# KiCad board 100p-keebored_OLD.kicad_pcb (continued)
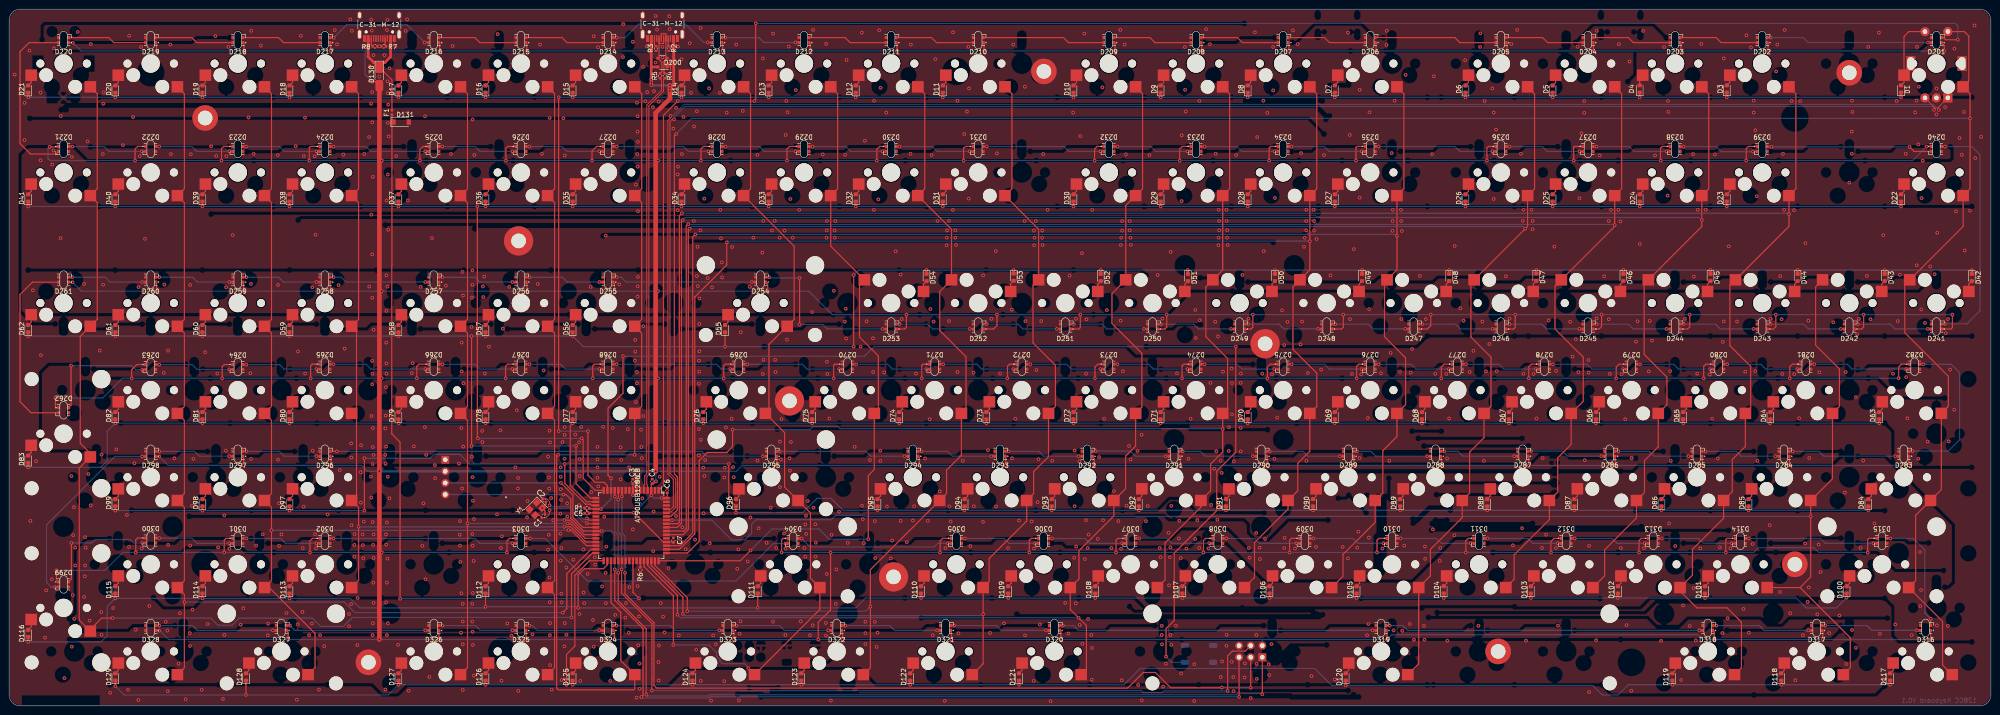
[diagram p0: board, top side]
## Routing (per net, layer and track width the routed paths; a pad name or vN(x,y) marks a point on that pad's centre or on a via; arc(x,y) is an arc through that point) (continued)
Net-(D205-Pad2): length 26.9
  Top w0.25: 298.71,146.17 316.14,146.17 317.24,145.07 325.14,145.07
Net-(D206-Pad2): length 17.4
  Top w0.25: 279.66,146.17 287.64,146.17 288.74,145.07 296.56,145.07
Net-(D207-Pad2): length 17.4
  Top w0.25: 260.62,146.17 268.59,146.17 269.69,145.07 277.51,145.07
Net-(D208-Pad2): length 17.4
  Top w0.25: 258.47,145.07 250.57,145.07 249.47,146.17 241.57,146.17
Net-(D209-Pad2): length 26.9
  Top w0.25: 212.99,146.17 230.57,146.17 231.67,145.07 239.42,145.07
Net-(D210-Pad2): length 17.4
  Top w0.25: 193.95,146.17 201.7,146.17 202.8,145.07 210.84,145.07
Net-(D211-Pad2): length 17.4
  Top w0.25: 174.9,146.17 182.8,146.17 183.9,145.07 191.8,145.07
Net-(D212-Pad2): length 17.4
  Top w0.25: 155.85,146.17 155.88,146.14 v1(156.63,146.14) ; v1(171.96,145.1) 171.99,145.07 172.75,145.07
  Bottom w0.25: v1(156.63,146.14) 164,146.14 165.04,145.1 v1(171.96,145.1)
Net-(D213-Pad2): length 24.6
  Top w0.25: 132.04,146.17 132.07,146.14 v1(132.82,146.14) ; 153.7,145.07 152.79,145.07 v1(152.76,145.1)
  Bottom w0.25: v1(152.76,145.1) 151.87,145.1 147.85,149.12 137.66,149.12 134.68,146.14 v1(132.82,146.14)
Net-(D214-Pad2): length 17.4
  Top w0.25: 129.89,145.07 121.99,145.07 120.89,146.17 112.99,146.17
Net-(D215-Pad2): length 17.4
  Top w0.25: 110.84,145.07 102.94,145.07 101.84,146.17 93.94,146.17
Net-(D216-Pad2): length 24.5
  Top w0.25: 70.13,146.17 70.96,146.17 v1(70.99,146.14) ; 91.79,145.07 91.76,145.1 v1(90.86,145.1)
  Bottom w0.25: v1(70.99,146.14) 73.82,148.97 86.99,148.97 v1(90.86,145.1)
Net-(D217-Pad2): length 17.4
  Top w0.25: 67.98,145.07 60.01,145.07 58.91,146.17 51.08,146.17
Net-(D218-Pad2): length 17.4
  Top w0.25: 32.03,146.17 39.93,146.17 41.03,145.07 48.93,145.07
Net-(D219-Pad2): length 17.4
  Top w0.25: 12.98,146.17 21.78,146.17 22.88,145.07 29.88,145.07
Net-(D220-Pad2): length 39
  Top w0.25: 10.83,145.07 4.36,145.07 2.38,143.09 2.38,123 4.69,120.69 10.27,120.69 10.83,121.25 10.83,121.26
Net-(D221-Pad2): length 17.4
  Top w0.25: 12.98,122.36 13.01,122.33 v1(13.84,122.33) ; 29.88,121.26 29.05,121.26 v1(29.02,121.29)
  Bottom w0.25: v1(13.84,122.33) 20.76,122.33 21.8,121.29 v1(29.02,121.29)
Net-(D222-Pad2): length 17.4
  Top w0.25: v1(48.15,121.29) 48.9,121.29 48.93,121.26 ; v1(32.82,122.33) 32.79,122.36 32.03,122.36
  Bottom w0.25: v1(32.82,122.33) 39.96,122.33 41,121.29 v1(48.15,121.29)
Net-(D223-Pad2): length 17.4
  Top w0.25: v1(51.87,122.33) 51.84,122.36 51.08,122.36 ; v1(67.19,121.29) 67.95,121.29 67.98,121.26
  Bottom w0.25: v1(67.19,121.29) 60.12,121.29 59.08,122.33 v1(51.87,122.33)
Net-(D224-Pad2): length 22.1
  Top w0.25: v1(91,121.29) 91.76,121.29 91.79,121.26 ; v1(70.91,122.33) 70.89,122.36 70.13,122.36
  Bottom w0.25: v1(70.91,122.33) 78.06,122.33 79.1,121.29 v1(91,121.29)
Net-(D225-Pad2): length 17.4
  Top w0.25: 110.84,121.26 110.81,121.29 v1(110.05,121.29) ; v1(94.73,122.33) 94.7,122.36 93.94,122.36
  Bottom w0.25: v1(110.05,121.29) 102.98,121.29 101.94,122.33 v1(94.73,122.33)
Net-(D226-Pad2): length 17.4
  Top w0.25: v1(129.1,121.29) 129.86,121.29 129.89,121.26 ; v1(113.77,122.33) 113.74,122.36 112.99,122.36
  Bottom w0.25: v1(113.77,122.33) 120.92,122.33 121.96,121.29 v1(129.1,121.29)
Net-(D227-Pad2): length 22.1
  Top w0.25: v1(132.82,122.33) 132.79,122.36 132.04,122.36 ; 153.7,121.26 153.67,121.29 v1(152.91,121.29)
  Bottom w0.25: v1(152.91,121.29) 148.52,121.29 147.48,122.33 v1(132.82,122.33)
Net-(D228-Pad2): length 17.4
  Top w0.25: v1(156.63,122.33) 156.6,122.36 155.85,122.36 ; 172.75,121.26 172.72,121.29 v1(171.96,121.29)
  Bottom w0.25: v1(156.63,122.33) 164.07,122.33 165.12,121.29 v1(171.96,121.29)
Net-(D229-Pad2): length 17.4
  Top w0.25: 174.9,122.36 175.65,122.36 v1(175.68,122.33) ; 191.8,121.26 191.77,121.29 v1(191.01,121.29)
  Bottom w0.25: v1(191.01,121.29) 184.02,121.29 182.97,122.33 v1(175.68,122.33)
Net-(D230-Pad2): length 17.4
  Top w0.25: v1(210.06,121.29) 210.82,121.29 210.84,121.26 ; 193.95,122.36 194.7,122.36 v1(194.73,122.33)
  Bottom w0.25: v1(210.06,121.29) 202.92,121.29 201.87,122.33 v1(194.73,122.33)
Net-(D231-Pad2): length 26.9
  Top w0.25: v1(238.63,121.29) 239.39,121.29 239.42,121.26 ; 212.99,122.36 213.75,122.36 v1(213.78,122.33)
  Bottom w0.25: v1(238.63,121.29) 231.71,121.29 230.67,122.33 v1(213.78,122.33)
Net-(D232-Pad2): length 17.4
  Top w0.25: 241.57,122.36 242.32,122.36 v1(242.35,122.33) ; v1(257.68,121.29) 258.44,121.29 258.47,121.26
  Bottom w0.25: v1(257.68,121.29) 250.69,121.29 249.64,122.33 v1(242.35,122.33)
Net-(D233-Pad2): length 17.4
  Top w0.25: v1(261.4,122.33) 261.37,122.36 260.62,122.36 ; 277.51,121.26 277.49,121.29 v1(276.73,121.29)
  Bottom w0.25: v1(261.4,122.33) 268.47,122.33 269.51,121.29 v1(276.73,121.29)
Net-(D234-Pad2): length 17.4
  Top w0.25: v1(295.78,121.29) 296.53,121.29 296.56,121.26 ; 279.66,122.36 280.42,122.36 v1(280.45,122.33)
  Bottom w0.25: v1(295.78,121.29) 288.64,121.29 287.59,122.33 v1(280.45,122.33)
Net-(D235-Pad2): length 26.9
  Top w0.25: v1(324.35,121.29) 325.11,121.29 325.14,121.26 ; 298.71,122.36 299.47,122.36 v1(299.5,122.33)
  Bottom w0.25: v1(324.35,121.29) 317.21,121.29 316.17,122.33 v1(299.5,122.33)
Net-(D236-Pad2): length 17.4
  Top w0.25: 327.29,122.36 328.04,122.36 v1(328.07,122.33) ; 344.19,121.26 344.16,121.29 v1(343.4,121.29)
  Bottom w0.25: v1(328.07,122.33) 335.29,122.33 336.33,121.29 v1(343.4,121.29)
Net-(D237-Pad2): length 17.4
  Top w0.25: 346.34,122.36 347.09,122.36 v1(347.12,122.33) ; 363.23,121.26 363.2,121.29 v1(362.45,121.29)
  Bottom w0.25: v1(362.45,121.29) 355.31,121.29 354.26,122.33 v1(347.12,122.33)
Net-(D238-Pad2): length 17.4
  Top w0.25: 382.28,121.26 381.39,121.26 v1(381.35,121.21) ; 365.38,122.36 365.41,122.33 v1(366.17,122.33)
  Bottom w0.25: v1(366.17,122.33) 373.31,122.33 374.43,121.21 v1(381.35,121.21)
Net-(D239-Pad2): length 36.4
  Top w0.25: 420.38,121.26 416.57,121.26 v1(415.58,122.26) ; 384.43,122.36 384.54,122.26 v1(385.37,122.26)
  Bottom w0.25: v1(415.58,122.26) v1(385.37,122.26)
Net-(D240-Pad2): length 53
  Top w0.25: v1(423.32,83.56) 422.58,83.56 422.53,83.52 ; 422.53,122.36 423.29,122.36 v1(423.32,122.33)
  Bottom w0.25: v1(423.32,83.56) 428.15,83.56 430.98,86.39 430.98,120.54 429.19,122.33 v1(423.32,122.33)
Net-(D241-Pad2): length 17.4
  Top w0.25: 403.48,83.52 403.51,83.49 v1(404.27,83.49) ; v1(419.59,82.45) 419.62,82.42 420.38,82.42
  Bottom w0.25: v1(404.27,83.49) 411.34,83.49 412.38,82.45 v1(419.59,82.45)
Net-(D242-Pad2): length 17.4
  Top w0.25: v1(400.55,82.45) 400.58,82.42 401.33,82.42 ; v1(385.22,83.49) 384.46,83.49 384.43,83.52
  Bottom w0.25: v1(400.55,82.45) 393.4,82.45 392.36,83.49 v1(385.22,83.49)
Net-(D243-Pad2): length 17.4
  Top w0.25: 382.28,82.42 381.53,82.42 v1(381.5,82.45) ; v1(366.17,83.49) 365.41,83.49 365.38,83.52
  Bottom w0.25: v1(366.17,83.49) 373.16,83.49 374.21,82.45 v1(381.5,82.45)
Net-(D244-Pad2): length 17.4
  Top w0.25: 346.34,83.52 346.36,83.49 v1(347.12,83.49) ; v1(362.45,82.45) 362.48,82.42 363.23,82.42
  Bottom w0.25: v1(347.12,83.49) 354.11,83.49 355.16,82.45 v1(362.45,82.45)
Net-(D245-Pad2): length 17.4
  Top w0.25: v1(343.4,82.45) 343.43,82.42 344.19,82.42 ; 327.29,83.52 327.32,83.49 v1(328.07,83.49)
  Bottom w0.25: v1(343.4,82.45) 336.18,82.45 335.14,83.49 v1(328.07,83.49)
Net-(D246-Pad2): length 17.4
  Top w0.25: v1(324.35,82.45) 324.38,82.42 325.14,82.42 ; v1(309.02,83.49) 308.99,83.52 308.24,83.52
  Bottom w0.25: v1(324.35,82.45) 317.36,82.45 316.32,83.49 v1(309.02,83.49)
Net-(D247-Pad2): length 17.4
  Top w0.25: 306.09,82.42 305.33,82.42 v1(305.3,82.45) ; v1(289.97,83.49) 289.22,83.49 289.19,83.52
  Bottom w0.25: v1(289.97,83.49) 297.19,83.49 298.23,82.45 v1(305.3,82.45)
Net-(D248-Pad2): length 17.4
  Top w0.25: v1(270.93,83.49) 270.17,83.49 270.14,83.52 ; v1(286.25,82.45) 286.28,82.42 287.04,82.42
  Bottom w0.25: v1(286.25,82.45) 278.74,82.45 277.7,83.49 v1(270.93,83.49)
Net-(D249-Pad2): length 17.4
  Top w0.25: 251.09,83.52 251.12,83.49 v1(251.88,83.49) ; 267.99,82.42 267.23,82.42 v1(267.21,82.45)
  Bottom w0.25: v1(251.88,83.49) 259.02,83.49 260.06,82.45 v1(267.21,82.45)
Net-(D250-Pad2): length 17.4
  Top w0.25: 232.04,83.52 232.07,83.49 v1(232.83,83.49) ; v1(248.16,82.45) 248.19,82.42 248.94,82.42
  Bottom w0.25: v1(232.83,83.49) 239,83.49 240.05,82.45 v1(248.16,82.45)
Net-(D251-Pad2): length 17.4
  Top w0.25: v1(213.78,83.49) 213.02,83.49 212.99,83.52 ; 229.89,82.42 229.14,82.42 v1(229.11,82.45)
  Bottom w0.25: v1(213.78,83.49) 220.63,83.49 221.67,82.45 v1(229.11,82.45)
Net-(D252-Pad2): length 17.4
  Top w0.25: 193.95,83.52 194.7,83.52 v1(194.73,83.49) ; 210.84,82.42 210.09,82.42 v1(210.06,82.45)
  Bottom w0.25: v1(194.73,83.49) 200.91,83.49 201.95,82.45 v1(210.06,82.45)
Net-(D253-Pad2): length 37.1
  Top w0.25: v1(191.01,82.45) 191.04,82.42 191.8,82.42 ; v1(166.16,93.76) 165.4,93.76 165.37,93.79 ; v1(172.85,93.61) 172.85,93.61 v1(172.85,83.41)
  Bottom w0.25: v1(172.85,93.61) 166.31,93.61 v1(166.16,93.76) ; v1(172.85,83.41) 177.91,83.41 178.88,82.45 v1(191.01,82.45)
Net-(D254-Pad2): length 31.6
  Top w0.25: v1(132.82,93.76) 132.79,93.79 132.04,93.79 ; 163.22,92.69 162.47,92.69 v1(162.44,92.71)
  Bottom w0.25: v1(162.44,92.71) 134.91,92.71 133.86,93.76 v1(132.82,93.76)
Net-(D255-Pad2): length 17.4
  Top w0.25: v1(129.1,92.71) 129.13,92.69 129.89,92.69 ; 112.99,93.79 113.02,93.76 v1(113.77,93.76)
  Bottom w0.25: v1(113.77,93.76) 120.99,93.76 122.03,92.71 v1(129.1,92.71)
Net-(D256-Pad2): length 17.4
  Top w0.25: v1(110.05,92.71) 110.08,92.69 110.84,92.69 ; 93.94,93.79 93.97,93.76 v1(94.73,93.76)
  Bottom w0.25: v1(110.05,92.71) 102.91,92.71 101.87,93.76 v1(94.73,93.76)
Net-(D257-Pad2): length 22.1
  Top w0.25: 70.13,93.79 70.16,93.76 v1(70.91,93.76) ; 91.79,92.69 91.03,92.69 v1(91,92.71)
  Bottom w0.25: v1(91,92.71) 73.67,92.71 72.63,93.76 v1(70.91,93.76)
Net-(D258-Pad2): length 17.4
  Top w0.25: v1(67.19,92.71) 67.95,92.71 67.98,92.69 ; 51.08,93.79 51.84,93.79 v1(51.87,93.76)
  Bottom w0.25: v1(67.19,92.71) 59.98,92.71 58.93,93.76 v1(51.87,93.76)
Net-(D259-Pad2): length 17.4
  Top w0.25: v1(48.15,92.71) 48.9,92.71 48.93,92.69 ; v1(32.82,93.76) 32.79,93.79 32.03,93.79
  Bottom w0.25: v1(48.15,92.71) 41.15,92.71 40.11,93.76 v1(32.82,93.76)
Net-(D260-Pad2): length 17.4
  Top w0.25: 12.98,93.79 13.01,93.76 v1(13.77,93.76) ; 29.88,92.69 29.13,92.69 v1(29.1,92.71)
  Bottom w0.25: v1(29.1,92.71) 22.03,92.71 20.99,93.76 v1(13.77,93.76)
Net-(D261-Pad2): length 42.5
  Top w0.25: 10.83,92.69 5.11,92.69 2.38,89.96 2.38,66.52 4.79,64.11 10.83,64.11
Net-(D262-Pad2): length 26.2
  Top w0.25: v1(29.1,73.52) 29.84,73.52 29.88,73.56 ; 12.98,65.21 13.54,65.77 v1(13.54,74.41)
  Bottom w0.25: v1(13.54,74.41) 26.79,74.41 27.68,73.52 v1(29.1,73.52)
Net-(D263-Pad2): length 17.4
  Top w0.25: v1(32.82,74.63) 32.79,74.66 32.03,74.66 ; v1(48.15,73.59) 48.9,73.59 48.93,73.56
  Bottom w0.25: v1(48.15,73.59) 41.08,73.59 40.03,74.63 v1(32.82,74.63)
Net-(D264-Pad2): length 17.3
  Top w0.25: 51.08,74.66 51.84,74.66 v1(51.87,74.63) ; v1(67.19,73.67) 67.95,73.67 67.98,73.64
  Bottom w0.25: v1(67.19,73.67) 60.12,73.67 59.16,74.63 v1(51.87,74.63)
Net-(D265-Pad2): length 22.1
  Top w0.25: v1(70.91,74.71) 70.89,74.74 70.13,74.74 ; 91.79,73.64 91.76,73.67 v1(91,73.67)
  Bottom w0.25: v1(70.91,74.71) 78.06,74.71 79.1,73.67 v1(91,73.67)
Net-(D266-Pad2): length 17.4
  Top w0.25: 93.94,74.74 94.7,74.74 v1(94.73,74.71) ; v1(110.05,73.67) 110.81,73.67 110.84,73.64
  Bottom w0.25: v1(110.05,73.67) 102.91,73.67 101.87,74.71 v1(94.73,74.71)
Net-(D267-Pad2): length 17.4
  Top w0.25: 129.89,73.64 129.86,73.67 v1(129.1,73.67) ; v1(113.77,74.71) 113.74,74.74 112.99,74.74
  Bottom w0.25: v1(129.1,73.67) 121.66,73.67 120.62,74.71 v1(113.77,74.71)
Net-(D268-Pad2): length 26.9
  Top w0.25: 158.46,73.64 158.43,73.67 v1(157.68,73.67) ; 132.04,74.74 132.79,74.74 v1(132.82,74.71)
  Bottom w0.25: v1(157.68,73.67) 155.74,73.67 154.7,74.71 v1(132.82,74.71)
Net-(D269-Pad2): length 22.1
  Top w0.25: 182.27,73.64 182.24,73.67 v1(181.49,73.67) ; 160.61,74.74 161.37,74.74 v1(161.4,74.71)
  Bottom w0.25: v1(181.49,73.67) 174.49,73.67 173.45,74.71 v1(161.4,74.71)
Net-(D270-Pad2): length 17.4
  Top w0.25: v1(185.21,74.71) 185.18,74.74 184.42,74.74 ; 201.32,73.64 201.29,73.67 v1(200.53,73.67)
  Bottom w0.25: v1(200.53,73.67) 193.17,73.67 192.13,74.71 v1(185.21,74.71)
Net-(D271-Pad2): length 17.4
  Top w0.25: v1(204.26,74.71) 204.23,74.74 203.47,74.74 ; v1(219.58,73.67) 220.34,73.67 220.37,73.64
  Bottom w0.25: v1(204.26,74.71) 211.62,74.71 212.66,73.67 v1(219.58,73.67)
Net-(D272-Pad2): length 17.4
  Top w0.25: v1(223.3,74.71) 223.27,74.74 222.52,74.74 ; 239.42,73.64 239.39,73.67 v1(238.63,73.67)
  Bottom w0.25: v1(238.63,73.67) 232.31,73.67 231.27,74.71 v1(223.3,74.71)
Net-(D273-Pad2): length 17.4
  Top w0.25: 241.57,74.74 242.32,74.74 v1(242.35,74.71) ; v1(257.68,73.67) 258.44,73.67 258.47,73.64
  Bottom w0.25: v1(242.35,74.71) 249.2,74.71 250.24,73.67 v1(257.68,73.67)
Net-(D274-Pad2): length 17.4
  Top w0.25: v1(276.66,73.67) 277.49,73.67 277.51,73.64 ; 260.62,74.74 261.37,74.74 v1(261.4,74.71)
  Bottom w0.25: v1(276.66,73.67) 269.59,73.67 268.54,74.71 v1(261.4,74.71)
Net-(D275-Pad2): length 17.4
  Top w0.25: 279.66,74.74 280.42,74.74 v1(280.45,74.71) ; 296.56,73.64 296.53,73.67 v1(295.78,73.67)
  Bottom w0.25: v1(295.78,73.67) 288.71,73.67 287.67,74.71 v1(280.45,74.71)
Net-(D276-Pad2): length 17.4
  Top w0.25: 315.61,73.64 315.58,73.67 v1(314.83,73.67) ; 298.71,74.74 299.47,74.74 v1(299.5,74.71)
  Bottom w0.25: v1(314.83,73.67) 307.68,73.67 306.64,74.71 v1(299.5,74.71)
Net-(D277-Pad2): length 17.4
  Top w0.25: v1(318.55,74.71) 318.52,74.74 317.76,74.74 ; v1(333.88,73.67) 334.63,73.67 334.66,73.64
  Bottom w0.25: v1(318.55,74.71) 325.84,74.71 326.88,73.67 v1(333.88,73.67)
Net-(D278-Pad2): length 17.4
  Top w0.25: v1(352.92,73.67) 353.68,73.67 353.71,73.64 ; 336.81,74.74 337.57,74.74 v1(337.6,74.71)
  Bottom w0.25: v1(352.92,73.67) 346.15,73.67 345.11,74.71 v1(337.6,74.71)
Net-(D279-Pad2): length 17.4
  Top w0.25: v1(371.97,73.67) 372.73,73.67 372.76,73.64 ; 355.86,74.74 356.62,74.74 v1(356.64,74.71)
  Bottom w0.25: v1(371.97,73.67) 365.05,73.67 364.01,74.71 v1(356.64,74.71)
Net-(D280-Pad2): length 17.4
  Top w0.25: v1(375.69,74.71) 375.66,74.74 374.91,74.74 ; 391.81,73.64 391.78,73.67 v1(391.02,73.67)
  Bottom w0.25: v1(391.02,73.67) 384.1,73.67 383.06,74.71 v1(375.69,74.71)
Net-(D281-Pad2): length 22.1
  Top w0.25: v1(414.83,73.67) 415.59,73.67 415.62,73.64 ; v1(394.74,74.71) 394.71,74.74 393.96,74.74
  Bottom w0.25: v1(394.74,74.71) 401.96,74.71 403,73.67 v1(414.83,73.67)
Net-(D282-Pad2): length 36.4
  Top w0.25: v1(416.17,55.73) 415.43,55.73 415.39,55.69 ; 417.77,74.74 418.52,74.74 v1(418.55,74.71)
  Bottom w0.25: v1(416.17,55.73) 424.06,55.73 426.51,58.19 426.51,72.92 424.73,74.71 v1(418.55,74.71)
Net-(D283-Pad2): length 24.5
  Top w0.25: 389.19,55.69 389.22,55.66 v1(389.98,55.66) ; v1(412.45,54.62) 412.48,54.59 413.24,54.59
  Bottom w0.25: v1(412.45,54.62) 396.83,54.62 395.78,55.66 v1(389.98,55.66)
Net-(D284-Pad2): length 17.4
  Top w0.25: 387.04,54.59 386.29,54.59 v1(386.26,54.62) ; 370.15,55.69 370.18,55.66 v1(370.93,55.66)
  Bottom w0.25: v1(370.93,55.66) 377.7,55.66 378.74,54.62 v1(386.26,54.62)
Net-(D285-Pad2): length 17.4
  Top w0.25: 368,54.59 367.24,54.59 v1(367.21,54.62) ; 351.1,55.69 351.13,55.66 v1(351.88,55.66)
  Bottom w0.25: v1(367.21,54.62) 359.7,54.62 358.65,55.66 v1(351.88,55.66)
Net-(D286-Pad2): length 17.4
  Top w0.25: 348.95,54.59 348.19,54.59 v1(348.16,54.62) ; 332.05,55.69 332.09,55.73 v1(332.83,55.73)
  Bottom w0.25: v1(332.83,55.73) 339.68,55.73 340.8,54.62 v1(348.16,54.62)
Net-(D287-Pad2): length 17.4
  Top w0.25: 313,55.69 313.03,55.66 v1(313.79,55.66) ; v1(329.11,54.62) 329.14,54.59 329.9,54.59
  Bottom w0.25: v1(329.11,54.62) 317.88,54.62 316.84,55.66 v1(313.79,55.66)
Net-(D288-Pad2): length 17.4
  Top w0.25: v1(310.06,54.62) 310.09,54.59 310.85,54.59 ; 293.95,55.69 293.98,55.66 v1(294.74,55.66)
  Bottom w0.25: v1(294.74,55.66) 297.79,55.66 298.83,54.62 v1(310.06,54.62)
Net-(D289-Pad2): length 17.4
  Top w0.25: 291.8,54.59 291.05,54.59 v1(291.02,54.62) ; 274.9,55.69 274.93,55.66 v1(275.69,55.66)
  Bottom w0.25: v1(275.69,55.66) 282.98,55.66 284.02,54.62 v1(291.02,54.62)
Net-(D290-Pad2): length 17.4
  Top w0.25: 255.85,55.69 255.88,55.66 v1(256.64,55.66) ; v1(271.97,54.62) 272,54.59 272.75,54.59
  Bottom w0.25: v1(271.97,54.62) 261.55,54.62 260.51,55.66 v1(256.64,55.66)
Net-(D291-Pad2): length 17.4
  Top w0.25: v1(237.59,55.73) 236.85,55.73 236.81,55.69 ; 253.7,54.59 252.95,54.59 v1(252.92,54.62)
  Bottom w0.25: v1(252.92,54.62) 246.3,54.62 245.18,55.73 v1(237.59,55.73)
Net-(D292-Pad2): length 17.4
  Top w0.25: v1(233.87,54.62) 233.9,54.59 234.66,54.59 ; 217.76,55.69 217.79,55.66 v1(218.54,55.66)
  Bottom w0.25: v1(218.54,55.66) 225.16,55.66 226.21,54.62 v1(233.87,54.62)
Net-(D293-Pad2): length 17.4
  Top w0.25: 198.71,55.69 198.74,55.66 v1(199.49,55.66) ; 215.61,54.59 214.85,54.59 v1(214.82,54.62)
  Bottom w0.25: v1(199.49,55.66) 205.22,55.66 206.26,54.62 v1(214.82,54.62)
Net-(D294-Pad2): length 29.3
  Top w0.25: v1(168.54,55.66) 167.78,55.66 167.75,55.69 ; v1(195.77,54.62) 195.8,54.59 196.56,54.59
  Bottom w0.25: v1(195.77,54.62) 188.41,54.62 187.36,55.66 v1(168.54,55.66)
Net-(D295-Pad2): length 95.9
  Top w0.25: 165.6,54.59 164.85,54.59 v1(164.82,54.62) ; 70.13,55.69 70.16,55.66 v1(71.66,55.66)
  Bottom w0.25: v1(164.82,54.62) 152.54,54.62 151.5,55.66 v1(71.66,55.66)
Net-(D296-Pad2): length 17.4
  Top w0.25: 67.98,54.59 67.22,54.59 v1(67.19,54.62) ; v1(51.87,55.66) 51.11,55.66 51.08,55.69
  Bottom w0.25: v1(51.87,55.66) 59.08,55.66 60.12,54.62 v1(67.19,54.62)
Net-(D297-Pad2): length 17.4
  Top w0.25: v1(32.82,55.66) 32.06,55.66 32.03,55.69 ; 48.93,54.59 48.17,54.59 v1(48.15,54.62)
  Bottom w0.25: v1(48.15,54.62) 41.6,54.62 40.56,55.66 v1(32.82,55.66)
Net-(D298-Pad2): length 43.6
  Top w0.25: 10.83,26.02 10.79,25.97 v1(10.05,25.97) ; 29.88,54.59 29.14,54.59 v1(29.1,54.54)
  Bottom w0.25: v1(29.1,54.54) 23.14,54.54 8.19,39.59 8.19,27.01 9.23,25.97 v1(10.05,25.97)
Net-(D299-Pad2): length 25.7
  Top w0.25: 12.98,27.12 13.62,27.75 v1(13.62,35.64) ; 29.88,35.61 29.85,35.64 v1(29.1,35.64)
  Bottom w0.25: v1(13.62,35.64) 18.08,35.64 18.83,36.39 26.49,36.39 27.24,35.64 v1(29.1,35.64)
Net-(D300-Pad2): length 17.4
  Top w0.25: 48.93,35.54 48.9,35.57 v1(48.15,35.57) ; 32.03,36.71 32.79,36.71 v1(32.82,36.68)
  Bottom w0.25: v1(32.82,36.68) 39.96,36.68 41.08,35.57 v1(48.15,35.57)
Net-(D301-Pad2): length 17.4
  Top w0.25: 51.08,36.64 51.84,36.64 v1(51.87,36.61) ; v1(67.19,35.57) 67.95,35.57 67.98,35.54
  Bottom w0.25: v1(51.87,36.61) 59.38,36.61 60.42,35.57 v1(67.19,35.57)
Net-(D302-Pad2): length 41.2
  Top w0.25: v1(110.05,35.57) 110.81,35.57 110.84,35.54 ; 70.13,36.64 70.89,36.64 v1(70.91,36.61)
  Bottom w0.25: v1(70.91,36.61) 101.87,36.61 102.91,35.57 v1(110.05,35.57)
Net-(D303-Pad2): length 64.7
  Top w0.25: 112.99,36.64 113.89,36.64 v1(113.92,36.61) ; 170.37,35.54 170.32,35.49 v1(169.8,35.49)
  Bottom w0.25: v1(113.92,36.61) 117.19,36.61 126.49,27.31 158.94,27.31 167.12,35.49 v1(169.8,35.49)
Net-(D304-Pad2): length 34.7
  Top w0.25: v1(173.3,36.61) 172.54,36.61 172.52,36.64 ; 206.08,35.54 205.33,35.54 v1(205.3,35.57)
  Bottom w0.25: v1(205.3,35.57) 203.06,35.57 202.24,34.75 175.16,34.75 v1(173.3,36.61)
Net-(D305-Pad2): length 17.4
  Top w0.25: v1(224.35,35.57) 224.37,35.54 225.13,35.54 ; v1(209.02,36.61) 208.26,36.61 208.23,36.64
  Bottom w0.25: v1(224.35,35.57) 218.62,35.57 217.57,36.61 v1(209.02,36.61)
Net-(D306-Pad2): length 17.4
  Top w0.25: v1(228.07,36.61) 227.31,36.61 227.28,36.64 ; v1(243.39,35.57) 243.42,35.54 244.18,35.54
  Bottom w0.25: v1(228.07,36.61) 235.28,36.61 236.33,35.57 v1(243.39,35.57)
Net-(D307-Pad2): length 17.4
  Top w0.25: v1(247.11,36.61) 246.36,36.61 246.33,36.64 ; 263.23,35.54 262.47,35.54 v1(262.44,35.57)
  Bottom w0.25: v1(262.44,35.57) 254.26,35.57 253.14,36.68 247.19,36.68 v1(247.11,36.61)
Net-(D308-Pad2): length 17.4
  Top w0.25: 282.28,35.54 281.52,35.54 v1(281.49,35.57) ; v1(266.16,36.61) 265.41,36.61 265.38,36.64
  Bottom w0.25: v1(281.49,35.57) 273.38,35.57 272.34,36.61 v1(266.16,36.61)
Net-(D309-Pad2): length 17.3
  Top w0.25: v1(300.54,35.57) 300.57,35.54 301.33,35.54 ; v1(285.21,36.61) 284.46,36.61
  Bottom w0.25: v1(285.21,36.61) 293.92,36.61 294.96,35.57 v1(300.54,35.57)
Net-(D310-Pad2): length 17.4
  Top w0.25: v1(319.59,35.57) 319.62,35.54 320.37,35.54 ; 303.48,36.64 303.5,36.61 v1(304.26,36.61)
  Bottom w0.25: v1(319.59,35.57) 313.19,35.57 312.15,36.61 v1(304.26,36.61)
Net-(D311-Pad2): length 17.4
  Top w0.25: v1(338.64,35.57) 338.67,35.54 339.42,35.54 ; 322.52,36.64 322.55,36.61 v1(323.31,36.61)
  Bottom w0.25: v1(323.31,36.61) 332.09,36.61 333.13,35.57 v1(338.64,35.57)
Net-(D312-Pad2): length 17.4
  Top w0.25: v1(342.36,36.61) 341.6,36.61 341.57,36.64 ; v1(357.69,35.57) 357.72,35.54 358.47,35.54
  Bottom w0.25: v1(342.36,36.61) 350.54,36.61 351.59,35.57 v1(357.69,35.57)
Net-(D313-Pad2): length 17.4
  Top w0.25: 360.62,36.64 360.65,36.61 v1(361.41,36.61) ; 377.52,35.54 376.76,35.54 v1(376.74,35.57)
  Bottom w0.25: v1(376.74,35.57) 370.48,35.57 369.44,36.61 v1(361.41,36.61)
Net-(D314-Pad2): length 29.3
  Top w0.25: 408.47,35.54 407.72,35.54 v1(407.69,35.57) ; v1(380.46,36.61) 379.7,36.61 379.67,36.64
  Bottom w0.25: v1(380.46,36.61) 396.08,36.61 397.12,35.57 v1(407.69,35.57)
Net-(D315-Pad2): length 26.4
  Top w0.25: 420.15,17.59 420.2,17.64 420.2,19.04 v1(420.19,19.05) ; v1(411.41,36.61) 411.38,36.64 410.62,36.64
  Bottom w0.25: v1(411.41,36.61) 416.4,36.61 418.93,34.08 418.93,20.31 v1(420.19,19.05)
Net-(D316-Pad2): length 22.1
  Top w0.25: 396.34,17.59 396.37,17.56 v1(397.12,17.56) ; 418,16.49 417.24,16.49 v1(417.21,16.52)
  Bottom w0.25: v1(417.21,16.52) 407.32,16.52 406.28,17.56 v1(397.12,17.56)
Net-(D317-Pad2): length 22.1
  Top w0.25: v1(393.4,16.52) 393.43,16.49 394.19,16.49 ; v1(373.31,17.56) 372.56,17.56 372.53,17.59
  Bottom w0.25: v1(393.4,16.52) 383.73,16.52 382.69,17.56 v1(373.31,17.56)
Net-(D318-Pad2): length 69.7
  Top w0.25: 370.38,16.49 369.62,16.49 v1(369.59,16.52) ; v1(301.88,17.56) 301.12,17.56 301.09,17.59
  Bottom w0.25: v1(369.59,16.52) 305.82,16.52 304.78,17.56 v1(301.88,17.56)
Net-(D319-Pad2): length 69.7
  Top w0.25: 298.94,16.49 298.19,16.49 v1(298.16,16.52) ; v1(230.45,17.56) 229.69,17.56 229.66,17.59
  Bottom w0.25: v1(298.16,16.52) 233.8,16.52 232.75,17.56 v1(230.45,17.56)
Net-(D320-Pad2): length 22.1
  Top w0.25: 227.51,16.49 226.76,16.49 v1(226.73,16.52) ; 205.85,17.59 205.88,17.56 v1(206.64,17.56)
  Bottom w0.25: v1(226.73,16.52) 216.98,16.52 215.94,17.56 v1(206.64,17.56)
Net-(D321-Pad2): length 22.1
  Top w0.25: 182.04,17.59 182.07,17.56 v1(182.83,17.56) ; v1(202.92,16.52) 202.94,16.49 203.7,16.49
  Bottom w0.25: v1(202.92,16.52) 193.61,16.52 192.57,17.56 v1(182.83,17.56)
Net-(D322-Pad2): length 22.1
  Top w0.25: 179.89,16.49 179.13,16.49 v1(179.1,16.52) ; 158.23,17.59 158.26,17.56 v1(159.01,17.56)
  Bottom w0.25: v1(159.01,17.56) 168.46,17.56 169.51,16.52 v1(179.1,16.52)
Net-(D323-Pad2): length 24.5
  Top w0.25: 132.04,17.59 132.07,17.56 v1(132.82,17.56) ; v1(155.29,16.52) 155.32,16.49 156.08,16.49
  Bottom w0.25: v1(155.29,16.52) 145.62,16.52 144.58,17.56 v1(132.82,17.56)
Net-(D324-Pad2): length 17.4
  Top w0.25: v1(113.77,17.56) 113.02,17.56 112.99,17.59 ; v1(129.1,16.52) 129.13,16.49 129.89,16.49
  Bottom w0.25: v1(129.1,16.52) 115.49,16.52 114.44,17.56 v1(113.77,17.56)
Net-(D325-Pad2): length 17.4
  Top w0.25: 93.94,17.59 93.97,17.56 v1(94.73,17.56) ; v1(110.05,16.52) 110.08,16.49 110.84,16.49
  Bottom w0.25: v1(110.05,16.52) 102.98,16.52 101.94,17.56 v1(94.73,17.56)
Net-(D326-Pad2): length 31.6
  Top w0.25: v1(91,16.52) 91.03,16.49 91.79,16.49 ; 60.6,17.59 60.63,17.56 v1(61.39,17.56)
  Bottom w0.25: v1(91,16.52) 62.43,16.52 v1(61.39,17.56)
Net-(D327-Pad2): length 26.9
  Top w0.25: 32.03,17.59 32.06,17.56 v1(32.82,17.56) ; v1(57.67,16.52) 57.7,16.49 58.45,16.49
  Bottom w0.25: v1(57.67,16.52) 41.15,16.52 40.11,17.56 v1(32.82,17.56)
Net-(J2-PadA5): length 1.8
  Top w0.25: R2.1 144.12,144.44 J2.A5
Net-(J2-PadB5): length 1.8
  Top w0.25: J2.B5 141.12,144.62 R3.1
Net-(J3-PadA4): length 24.5
  Top w0.25: 80.96,139.67 83.71,136.92 83.71,130.29
  Top w0.6: C-31-M-12.A4 83.41,141.97 82.14,140.71 79.76,140.71 78.51,141.96 C-31-M-12.A9
Net-(J3-PadA5): length 1.8
  Top w0.25: R7.1 82.21,144.51 C-31-M-12.A5
Net-(J3-PadB5): length 1.8
  Top w0.25: C-31-M-12.B5 79.21,144.56 R8.1
Net-(R6-Pad2): length 1.5
  Top w0.25: R6.2 138.02,30.28 AT90USB1286.43

## Copper pours and planes (outline as drawn; the poured copper is in the pictures)
GND on Top, Bottom: 436.56,-2.98 -3.43,-2.9 -1.05,154.03 436.56,154.1

## Text on the board
Bottom: 128CC Keyboard V0.1
